# Altium PCB RTM_SFP.PcbDoc (part 5 of 17) (continued)
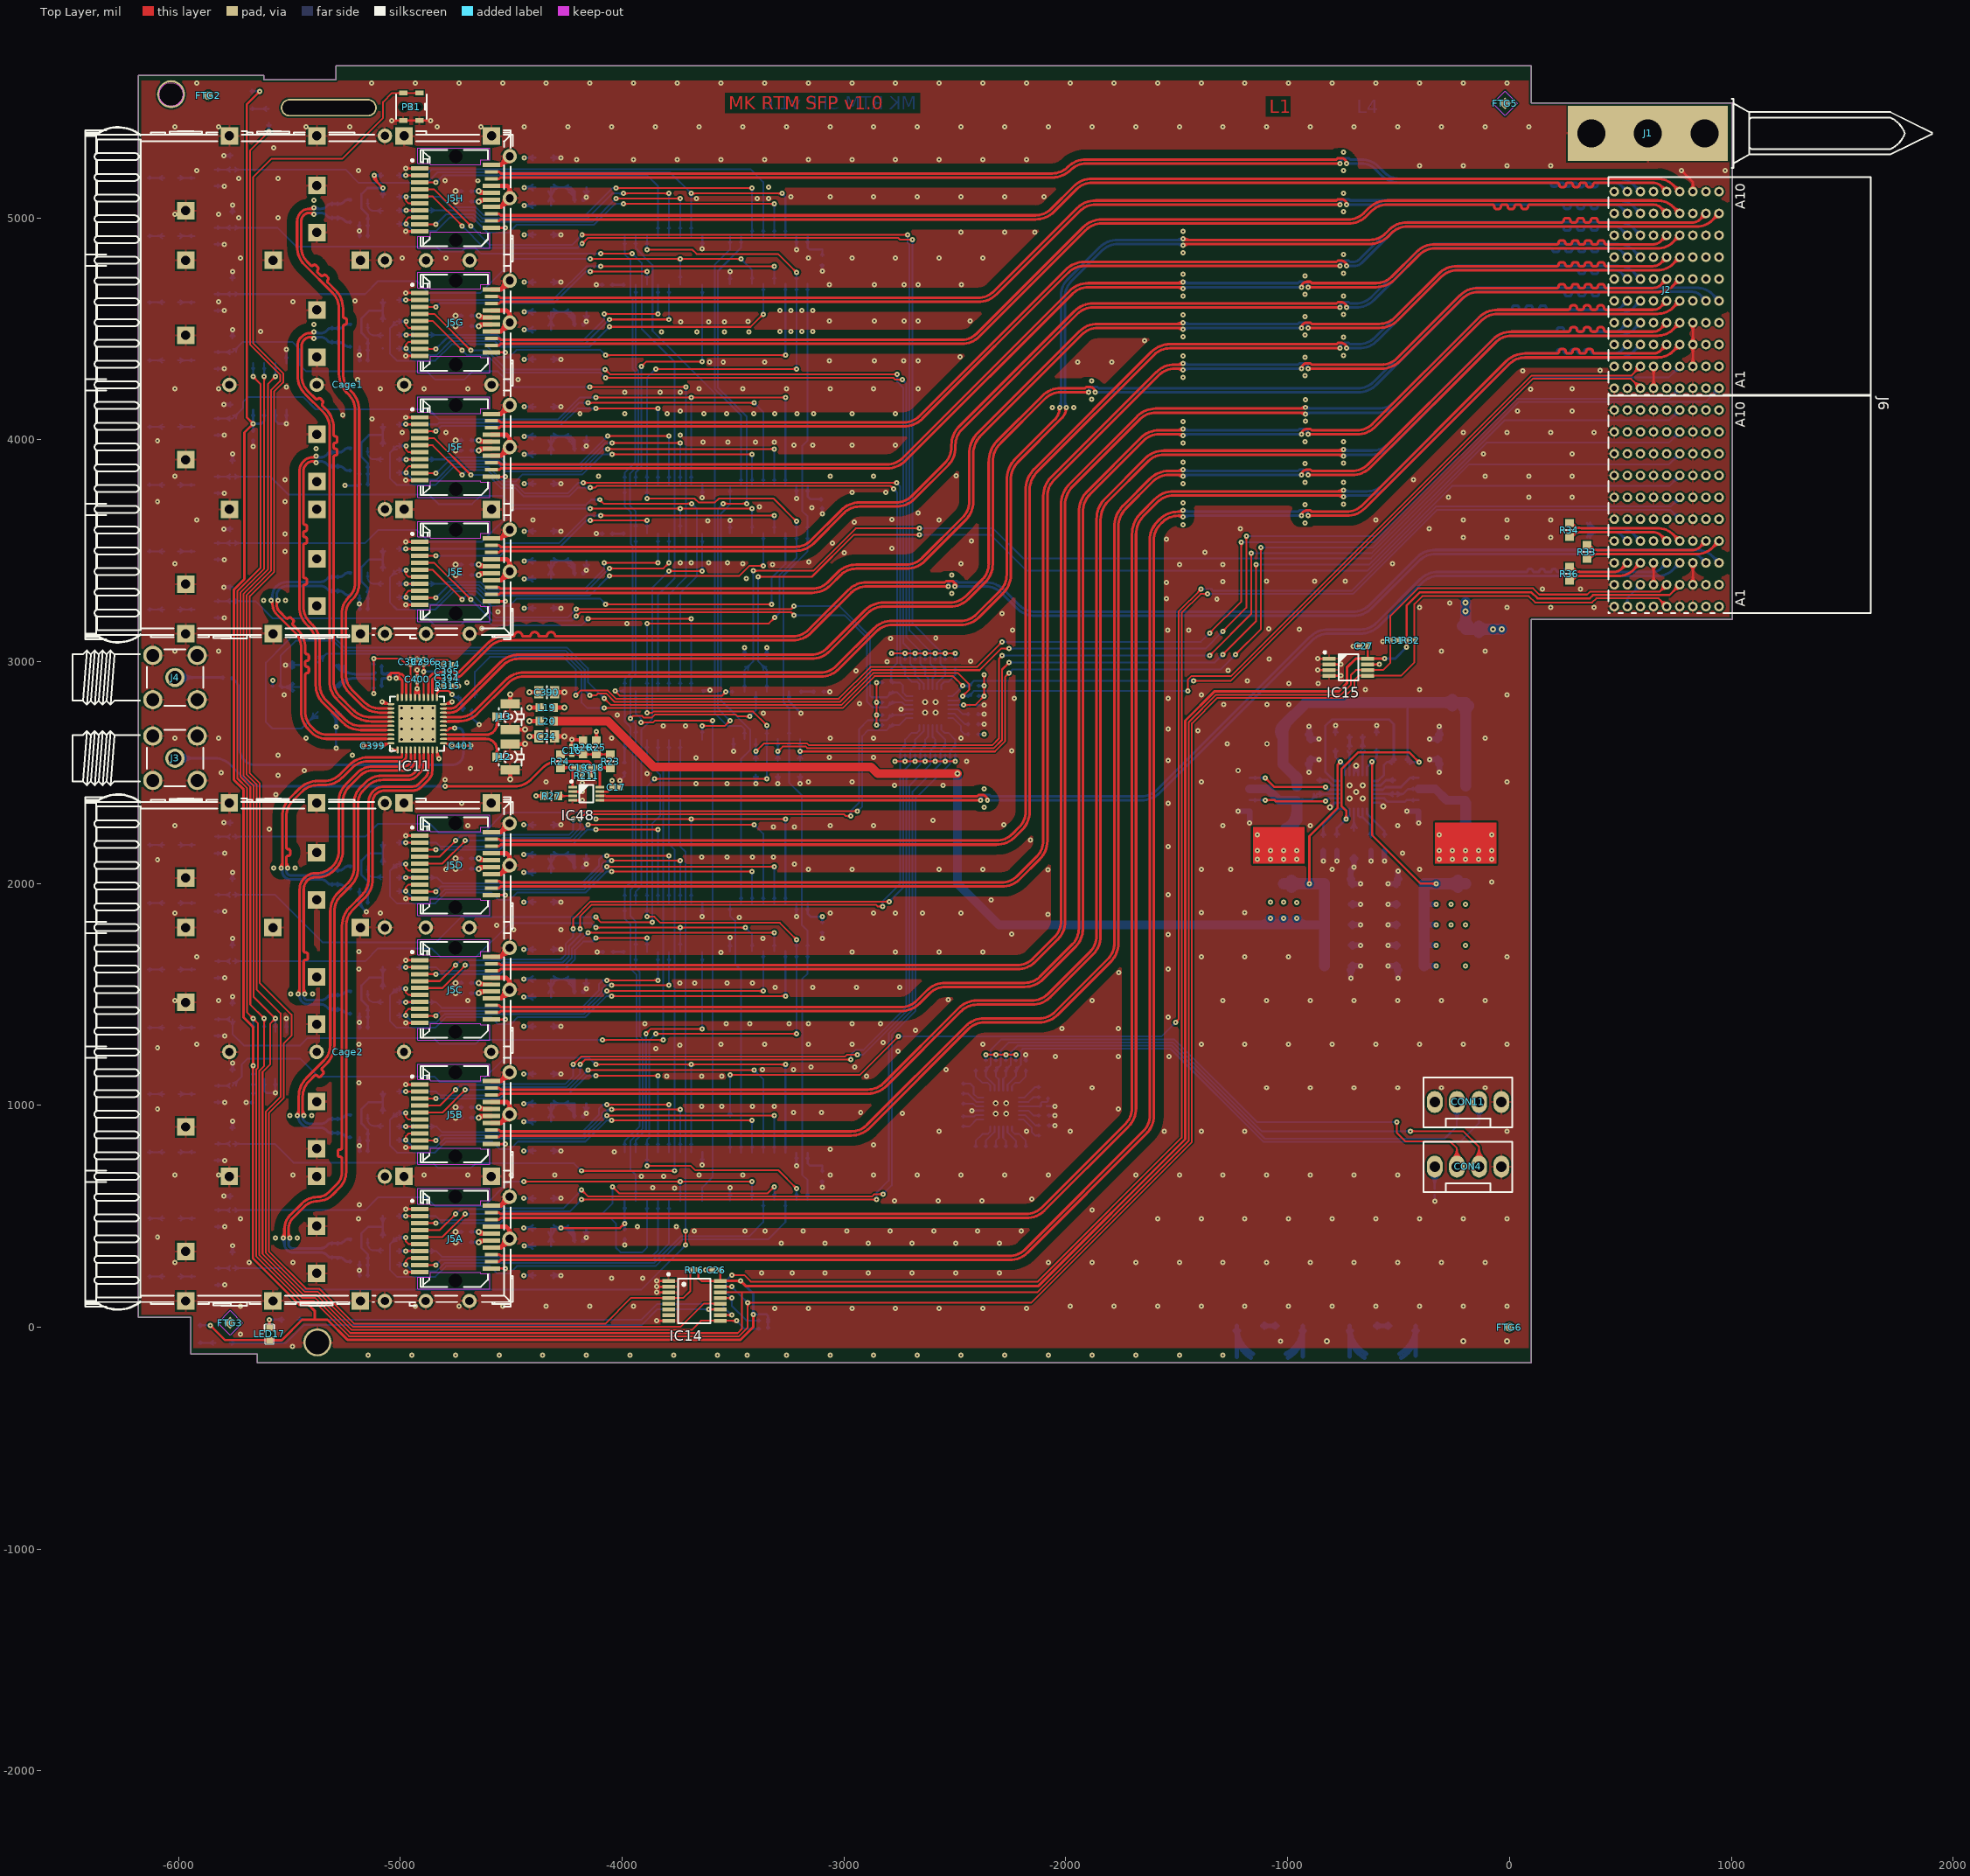
[diagram p0: Top Layer view]
## Nets (pads, with @x,y where several pads share a name; then routed paths per layer and width w, separated by ;. In a path a pad name is that pad's centre, name@x,y a point inside that pad or via, vN(x,y) a via of type N, cw(c..) or ccw(c..) an arc to the next point about the centre after c; other vN are vias at no path point) (continued)
  Bottom Layer w19.68: R22.2@-1238.2,-15.49 cw(c-1260.04,-37.33) -1229.15,-37.33 cw(c-1198.26,-37.33) R22.2@-1220.1,-15.49 ; pad.ESD_STRIP_SEGMENT_3@-1229.15,-134.39 R22.2@-1229.15,6.35 ccw(c-1082.97,6.35) pad.ESD_STRIP_SEGMENT_3@-1156.52,-119.98 ; R22.2@-1229.15,-27.89 ccw(c-1102.9,-27.89) pad.ESD_STRIP_SEGMENT_3@-1166.42,-136.99
  Bottom Layer w25: v1(-1224.02,2325.79) T5.1@-1171.26,2325.79 v1(-1171.26,2273.03) ; C9.1@-910.71,2538.7 cw(c-928.02,2521.39) -903.54,2521.39 cw(c-879.07,2521.39) C9.1@-896.37,2538.7 ; C10.1@-910.71,2671.15 ccw(c-928.02,2688.45) -903.54,2688.45 ccw(c-879.07,2688.45) C10.1@-896.37,2671.15 ; v1(-903.54,2501.97) C9.1@-903.54,2558.66 v1(-858.66,2558.66) ; v1(-903.54,2707.87) C10.1@-903.54,2651.18 v1(-858.66,2651.18) ; C9.1@-896.37,2551.49 cw(c-879.07,2534.19) -879.07,2558.66 cw(c-879.07,2583.14) C9.1@-896.37,2565.83 ; C10.1@-896.37,2644.01 cw(c-879.07,2626.71) -879.07,2651.18 cw(c-879.07,2675.66) C10.1@-896.37,2658.35 ; v1(-839.37,2101.97) R54.2@-839.37,2146.85 ; v1(-777.95,2101.97) C84.2@-777.95,2146.85 ; C181.1@-722.52,1608.78 cw(c-739.83,1591.47) -715.35,1591.47 cw(c-690.88,1591.47) C181.1@-708.19,1608.78 ; C176.1@-722.52,2018.78 ccw(c-739.83,2036.09) -715.35,2036.09 ccw(c-690.88,2036.09) C176.1@-708.19,2018.78 ; v1(-715.35,1572.05) C181.1@-715.35,1628.74 v1(-670.47,1628.74) ; C182.1@-715.35,1721.26 v1(-670.47,1721.26) ; C180.1@-715.35,1813.78 v1(-670.47,1813.78) ; C179.1@-715.35,1906.3 v1(-670.47,1906.3) ; C207.1@-708.35,2112.12 cw(c-725.66,2094.82) -701.18,2094.82 cw(c-676.71,2094.82) C207.1@-694.01,2112.12 ; C181.1@-708.19,1621.57 cw(c-690.88,1604.27) -690.88,1628.74 cw(c-690.88,1653.21) C181.1@-708.19,1635.91 ; C182.1@-708.19,1714.09 cw(c-690.88,1696.78) -690.88,1721.26 cw(c-690.88,1745.73) C182.1@-708.19,1728.43 ; C180.1@-708.19,1806.61 cw(c-690.88,1789.3) -690.88,1813.78 cw(c-690.88,1838.25) C180.1@-708.19,1820.95 ; C179.1@-708.19,1899.13 cw(c-690.88,1881.82) -690.88,1906.3 cw(c-690.88,1930.77) C179.1@-708.19,1913.47 ; C176.1@-708.19,1991.65 cw(c-690.88,1974.34) -690.88,1998.82 cw(c-690.88,2023.29) C176.1@-708.19,2005.99 ; C207.1@-701.18,2119.29 v1(-701.18,2074.41) -715.35,2060.24 C176.1@-715.35,1998.82 v1(-670.47,1998.82) ; v1(-624.41,2101.97) C386.1@-624.41,2146.85 ; v1(-563.39,2101.97) R246.1@-563.39,2146.85 ; v1(-547.64,1628.74) C15.1@-502.76,1628.74 v1(-502.76,1572.05) ; v1(-547.64,1721.26) C213.1@-502.76,1721.26 ; v1(-547.64,1813.78) C210.1@-502.76,1813.78 ; v1(-547.64,1906.3) C208.1@-502.76,1906.3 ; v1(-547.64,1998.82) C209.1@-502.76,1998.82 v1(-502.76,2055.51) ; C15.1@-509.92,1608.78 cw(c-527.23,1591.47) -502.76,1591.47 cw(c-478.28,1591.47) C15.1@-495.59,1608.78 ; C15.1@-509.92,1621.57 ccw(c-527.23,1604.27) -527.23,1628.74 ccw(c-527.23,1653.21) C15.1@-509.92,1635.91 ; C213.1@-509.92,1714.09 ccw(c-527.23,1696.78) -527.23,1721.26 ccw(c-527.23,1745.73) C213.1@-509.92,1728.43 ; C210.1@-509.92,1806.61 ccw(c-527.23,1789.3) -527.23,1813.78 ccw(c-527.23,1838.25) C210.1@-509.92,1820.95 ; C208.1@-509.92,1899.13 ccw(c-527.23,1881.82) -527.23,1906.3 ccw(c-527.23,1930.77) C208.1@-509.92,1913.47 ; C209.1@-509.92,1991.65 ccw(c-527.23,1974.34) -527.23,1998.82 ccw(c-527.23,2023.29) C209.1@-509.92,2005.99 ; C209.1@-509.92,2018.78 ccw(c-527.23,2036.09) -502.76,2036.09 ccw(c-478.28,2036.09) C209.1@-495.59,2018.78 ; v1(-462.99,2325.79) T6.1@-410.24,2325.79 v1(-410.24,2273.03) ; v1(-360.63,2558.66) C12.1@-315.75,2558.66 v1(-315.75,2501.97) ; v1(-360.63,2651.18) C14.1@-315.75,2651.18 v1(-315.75,2707.87) ; C12.1@-322.92,2538.7 cw(c-340.22,2521.39) -315.75,2521.39 cw(c-291.27,2521.39) C12.1@-308.58,2538.7 ; C12.1@-322.92,2551.49 ccw(c-340.22,2534.19) -340.22,2558.66 ccw(c-340.22,2583.14) C12.1@-322.92,2565.83 ; C14.1@-322.92,2644.01 ccw(c-340.22,2626.71) -340.22,2651.18 ccw(c-340.22,2675.66) C14.1@-322.92,2658.35 ; C14.1@-322.92,2671.15 ccw(c-340.22,2688.45) -315.75,2688.45 ccw(c-291.27,2688.45) C14.1@-308.58,2671.15 ; -715.35,2041.86 cw(c-668.63,2041.86) -701.67,2074.9 ccw(c-668.63,2041.86) -715.35,2041.86 ; -715.35,2054.37 cw(c-693.03,2054.37) -701.44,2075.05 ccw(c-693.03,2054.37) -715.35,2054.37
  other v1: -5145.67,-125.59 -4948.82,-125.59 -4751.97,-125.59 -4555.12,-125.59 -4358.27,-125.59 -4161.42,-125.59 -3964.57,-125.59 -3767.72,-125.59 -3570.87,-125.59 -3437.02,-125.59 -3259.86,-125.59 -3063.01,-125.59 -2866.16,-125.59 -2669.31,-125.59 -2472.46,-125.59 -2275.61,-125.59 -2078.76,-125.59 -1881.91,-125.59 -1685.05,-125.59 -1488.2,-125.59 -1291.35,-125.59 -5485.83,-86.22 -1032.3,-62.49 -5720.49,-32.29 -3312.6,85.43 -3161.43,85.43 -2964.58,85.43 -2767.73,85.43 -2570.88,85.43 -2374.03,85.43 -2177.18,85.43 -5720.49,94.94 -4933.09,94.94 -4736.24,94.94 -4539.39,94.94 -4342.54,94.94 -4145.68,94.94 -3948.83,94.94 -1980.33,94.94 -1783.48,94.94 -1586.63,94.94 -1389.78,94.94 -1192.93,94.94 -996.08,94.94 -799.23,94.94 -602.38,94.94 -405.53,94.94 -208.68,94.94 -11.83,94.94 -4047.26,221.26 -3907.09,221.26 -3372.05,245.08 -3233.27,245.08 -3086.61,245.08 -2889.76,245.08 -2692.91,245.08 -2496.06,245.08 -2299.21,245.08 -5184.25,256.64 -6015.76,291.79 -5681.12,291.79 -5484.27,291.79 -2078.76,291.79 -1881.91,291.79 -1685.05,291.79 -1488.2,291.79 -1291.35,291.79 -1094.5,291.79 -897.65,291.79 -700.8,291.79 -503.95,291.79 -307.1,291.79 -110.25,291.79 -3283.46,377.95 -3086.61,377.95 -2889.76,377.95 -2692.91,377.95 -2496.06,377.95 -2299.21,377.95 -5562.6,401.58 -5465.35,401.58 -4161.42,403.54 -6094.49,405.51 -3675.99,434.25 -3446.85,434.25 -3355.51,434.25 -3185.04,434.25 -2988.19,434.25 -2791.34,434.25 -2594.49,434.25 -2397.64,434.25 -2200.79,434.25 -3932.29,453.94 -3756.7,453.94 -5720.49,488.64 -5188.99,488.64 -1586.63,488.64 -1389.78,488.64 -1192.93,488.64 -996.08,488.64 -799.23,488.64 -602.38,488.64 -405.53,488.64 -208.68,488.64 -11.83,488.64 -1881.89,527.56 -5185.04,551.18 -2771.65,568.9 -2574.8,568.9 -2377.95,568.9 -2153.54,576.77 -3764.57,627.16 -3862.21,629.53 -3912.99,680.71 -3812.99,680.71 -6015.76,685.49 -5818.91,685.49 -5484.27,685.49 -4893.72,685.49 -4696.87,685.49 -4500.02,685.49 -4303.17,685.49 -3653.56,685.49 -3456.71,685.49 -3063.01,685.49 -2866.16,685.49 -2669.31,685.49 -2472.46,685.49 -2275.61,685.49 -2078.76,685.49 -1685.05,685.49 -1488.2,685.49 -1291.35,685.49 -1094.5,685.49 -897.65,685.49 -700.8,685.49 -503.95,685.49 -4035.43,791.34 -3062.99,803.15 -5184.25,817.72 -2866.14,822.83 -2570.88,882.34 -2177.18,882.34 -1980.33,882.34 -1557.1,882.34 -1389.78,882.34 -1192.93,882.34 -11.83,882.34 -5497.88,953.15 -5400.63,953.15 -2736.22,964.57 -3228.35,968.5 -3102.36,968.5 -2925.2,968.5 -6094.49,984.25 -1763.78,984.25 -3641.73,995.08 -3551.18,995.08 -3413.39,995.08 -3314.96,995.08 -1881.91,1079.19 -1094.5,1079.19 -897.65,1079.19 -700.8,1079.19 -503.95,1079.19 -307.1,1079.19 -110.25,1079.19 -5186.04,1102.36 -3799.21,1131.89 -3641.73,1131.89 -3551.18,1131.89 -2898.62,1131.89 -3367.13,1160.43 -3228.35,1161.42 -2539.37,1161.42 -3149.61,1173.23 -2952.76,1173.23 -2047.24,1220.47 -1763.78,1220.47 -1535.43,1220.47 -2755.91,1244.09 -3848.43,1255.91 -6094.49,1259.84 -3740.16,1271.65 -5917.34,1276.04 -5186.04,1276.04 -3555.13,1276.04 -3358.28,1276.04 -3161.43,1276.04 -2964.58,1276.04 -2374.03,1276.04 -1389.78,1276.04 -1192.93,1276.04 -996.08,1276.04 -799.23,1276.04 -602.38,1276.04 -405.53,1276.04 -208.68,1276.04 -11.83,1276.04 -2822.83,1283.46 -2677.17,1338.58 -2017.72,1346.46 -1763.78,1346.46 -3897.64,1367.13 -3531.5,1367.13 -3425.2,1367.13 -3248.03,1367.13 -3161.42,1367.13 -2964.57,1367.13 -2835.63,1367.13 -5184.25,1374.8 -1539.37,1397.64 -6015.76,1472.89 -5818.91,1472.89 -4696.87,1472.89 -1881.91,1472.89 -1291.35,1472.89 -1094.5,1472.89 -897.65,1472.89 -700.8,1472.89 -503.95,1472.89 -307.1,1472.89 -110.25,1472.89 -2530.51,1475.39 -5493.83,1502.36 -5396.59,1502.36 -3311.02,1531.5 -3141.73,1531.5 -2944.88,1531.5 -2748.03,1531.5 -3740.16,1551.18 -3673.23,1551.18 -3527.56,1551.18 -3413.39,1551.18 -1760.83,1599.41 -5186.02,1614.17 -1539.37,1614.17 -5917.34,1669.74 -1389.78,1669.74 -1192.93,1669.74 -996.08,1669.74 -11.83,1669.74 -3555.13,1689.43 -2964.58,1691.39 -2767.73,1691.39 -2570.88,1691.39 -2374.03,1691.39 -5186.02,1692.91 -3366.14,1751.97 -1539.37,1770.08 -2244.09,1771.65 -4488.19,1791.34 -4275.59,1791.34 -4566.93,1811.02 -3472.44,1846.46 -2080.71,1860.24 -2767.72,1866.14 -2645.67,1866.14 -6015.76,1866.59 -5090.57,1866.59 -3063.01,1866.59 -2866.16,1866.59 -2472.46,1866.59 -1389.78,1868.9 -1192.93,1868.9 -2337.8,1926.38 -1539.37,1948.82 -79.53,2006.69 -2080.71,2062.01 -4795.29,2063.44 -3161.43,2063.44 -2964.58,2063.44 -2570.88,2063.44 -2374.03,2063.44 -1389.78,2063.44 -1255.92,2063.44 -799.23,2063.44 -405.53,2063.44 -5571.39,2070.08 -5474.14,2070.08 -3224.41,2086.61 -6094.49,2106.3 -3641.73,2118.11 -3527.56,2118.11 -3413.39,2118.11 -3318.9,2118.11 -482.68,2136.61 -1539.37,2165.35 -2160.43,2194.88 -5590.55,2244.09 -3318.9,2253.94 -3224.41,2253.94 -6015.76,2260.29 -4696.87,2260.29 -3063.01,2260.29 -2866.16,2260.29 -1291.35,2260.29 -897.65,2260.29 -503.95,2260.29 -2280.53,2265.21 -2598.43,2283.46 -2367.81,2343.01 -4724.41,2362.2 -1539.37,2362.2 -5561.02,2401.57 -2367.81,2426.08 -2772.05,2441.73 -2554.33,2442.13 -3668.11,2449.21 -3526.77,2449.21 -4342.54,2457.14 -3161.43,2457.14 -2964.58,2457.14 -1389.78,2457.14 -11.83,2457.14 -4797.64,2468.11 -5551.18,2488.19 -3887.8,2495.08 -5807.07,2500 -5433.07,2509.84 -4685.04,2519.69 -2447.64,2551.18 -1539.37,2555.12 -3668.11,2566.93 -3065.75,2568.11 -2866.93,2568.11 -5551.18,2578.74 -5216.54,2578.74 -2244.09,2598.43 -1271.65,2629.92 -6015.76,2653.99 -5818.91,2653.99 -5425.21,2653.99 -4047.26,2653.99 -3063.01,2653.99 -2866.16,2653.99 -2472.46,2653.99 -110.25,2653.99 -1405.51,2688.98 -1539.37,2696.85 -3814.18,2709.45 -3714.18,2709.45 -4021.66,2760.24 -3363.78,2766.54 -1287.4,2807.09 -1092.52,2807.09 -994.09,2807.09 -2929.53,2809.84 -2232.28,2834.65 -1539.37,2834.65 -5523.64,2850.84 -1389.78,2850.84 -11.83,2850.84 -649.61,2874.02 -405.51,2874.02 -994.09,2901.57 -862.2,2901.57 -4700.79,2905.51 -1181.1,2913.39 -2946.46,2958.66 -1267.72,2960.63 -2806.3,3000.39 -2429.92,3001.97 -1082.68,3011.81 -6015.76,3047.69 -5818.91,3047.69 -307.1,3047.69 -110.25,3047.69 -570.87,3090.55 -2790.55,3105.12 -2586.22,3106.1 -2241.14,3141.34 -1540.16,3141.34 -1446.85,3141.34 -946.85,3146.65 -1085.63,3147.64 -4633.86,3149.61 -3979.33,3171.26 -2287.01,3217.32 -4561.02,3225.39 -405.53,3244.54 -11.83,3244.54 185.02,3244.54 381.87,3244.54 -5184.25,3260.63 -268.9,3264.06 -5615.9,3276.77 -5518.66,3276.77 -1318.9,3282.48 -1546.06,3283.86 -2514.57,3306.69 147.64,3326.77 319.88,3326.77 -1546.06,3356.69 -1291.35,3360.63 -1094.49,3362.2 -877.95,3362.2 -740.16,3362.2 -3440.16,3375.2 -2514.57,3389.76 -4161.02,3411.02 -1488.2,3436.47 -1291.35,3436.47 -3322.44,3437.6 -6015.76,3441.39 -3456.71,3441.39 -2472.46,3441.39 -527.57,3441.39 -3738.59,3444.88 -3688.59,3444.88 -3610.24,3444.88 -3525.99,3444.88 -3159.45,3448.43 -2998.43,3490.95 -1372.84,3492.91 -5519.68,3496.06 -2785.04,3510.63 -3051.97,3533.07 -2426.18,3543.31 -1546.06,3551.97 -208.66,3559.06 -11.81,3559.06 185.04,3559.06 -5519.68,3574.8 -362.2,3598.43 -1213.58,3599.41 -1471.39,3617.72 -921.71,3625.14 -2954.74,3628.4 -3614.18,3635.04 -5917.34,3638.24 -4401.59,3638.24 -2570.88,3638.24 -602.38,3638.24 -208.68,3638.24 -11.83,3638.24 185.02,3638.24 -2785.04,3639.76 -2666.14,3670.47 -3144.88,3692.91 -3381.1,3696.85 -921.71,3708.21 -748.63,3710.3 -1471.39,3714.96 -6094.49,3720.47 -5519.68,3720.47 -275.59,3740.16 86.61,3740.16 283.46,3740.16 -2964.58,3762.6 -2811.42,3762.6 -1471.26,3801.45 -748.63,3807.54 -921.58,3808.87 -5519.68,3818.9 -433.07,3818.9 -6015.76,3835.09 -4106.31,3835.09 -3063.01,3835.09 -2866.16,3835.09 -110.25,3835.09 86.6,3835.09 283.45,3835.09 -2494.11,3838.05 -921.58,3891.94 -747.84,3893.76 -1471.26,3898.69 -118.11,3937.01 283.46,3937.01 -5379.53,3960.42 -4161.02,3971.65 -3225.59,3976.38 -3141.73,3976.38 -2964.58,3976.38 -2767.72,3976.38 -1471.26,3984.8 -3636.22,3990.16 -3522.44,3990.16 -3400,3990.16 -3314.18,3990.16 -747.84,3991 -921.58,3992.22 -6094.49,3996.06 -3738.19,4020.67 -4992.14,4031.95 -4795.29,4031.95 -208.68,4031.95 -11.83,4031.95 185.02,4031.95 381.87,4031.95 -1471.26,4082.04 -919.5,4083.13 -5127.95,4094.49 -5258.86,4112.2 -4190.55,4116.93 -3988.59,4116.93 -3797.25,4116.93 -3631.1,4116.93 -3529.92,4116.93 -3406.7,4116.93 -3312.99,4116.93 -3212.6,4116.93 -3137.8,4116.93 -2964.58,4116.93 -2767.72,4116.93 -3738.19,4129.92 35.43,4129.92 283.46,4129.92 -2061.81,4145.28 -1964.57,4145.28 -919.5,4180.37 -1883.72,4181.7 -3988.59,4214.57 -3828.74,4214.57 -3738.19,4214.57 94.49,4228.35 -6015.76,4228.8 -5818.91,4228.8 -5090.57,4228.8 -4893.72,4228.8 -4696.87,4228.8 -3653.56,4228.8 -3456.71,4228.8 -3259.86,4228.8 -3063.01,4228.8 -2866.16,4228.8 -2665.36,4228.8 283.45,4228.8 -5513.8,4236.67 -1883.72,4264.77 -5191.93,4271.65 -4468.5,4271.65 -1471.26,4280.99 -921.58,4288.41 59.06,4311.02 408.46,4312.99 -3606.7,4349.21 -3544.1,4349.21 -3358.28,4349.21 -1945.87,4349.41 -1793.32,4349.41 -3065.36,4356.3 -2863.39,4355.91 -2730.71,4355.91 -2665.36,4355.91 -921.58,4371.48 -2477.36,4373.03 -1471.26,4378.23 -748.52,4380.13 -5184.25,4381.1 -1645.67,4445.87 -748.52,4463.2 -1471.73,4464.63 -922.05,4472.05 -3822.83,4486.22 -3662.6,4486.22 -3539.37,4486.22 -3429.14,4486.22 -5629.92,4488.19 -3288.19,4488.19 -3238.98,4488.19 -3189.37,4488.19 -3140.55,4488.19 -5390.16,4519.48 -3737.01,4531.5 -3609.84,4531.5 -3539.37,4531.5 -3432.09,4532.48 -4161.02,4532.68 -3065.76,4535.63 -2863.4,4535.63 -2729.53,4535.63 -2666.55,4535.63 -2431.91,4535.63 -922.05,4555.12 -1471.73,4561.87 -748.63,4563.87 -3288.19,4583.07 -3238.98,4583.07 -3189.37,4583.07 -3140.55,4583.07 -5818.91,4622.5 -5484.27,4622.5 -5203.74,4625.98 -748.63,4646.94 -1471.26,4648.19 -921.58,4655.61 -3065.76,4697.94 -2863.4,4697.94 -2729.53,4697.94 -2666.55,4697.94 -2471.28,4697.94 -921.58,4738.68 -1471.26,4745.43 -748.65,4750.88 -5720.49,4819.35 -4992.14,4819.35 -4795.29,4819.35 -3161.43,4819.35 -2964.58,4819.35 -2767.73,4819.35 -2570.88,4819.35 -2374.03,4819.35 -748.65,4833.95 -1471.26,4842.91 -2472.46,4935.04 -2275.61,4935.04 -2140.75,4935.04 -1471.26,4940.16 -5184.25,4941.73 -5728.35,5000 -5551.18,5000 -6015.76,5016.2 -5818.91,5016.2 -748.26,5028.05 -5390.16,5080.11 -3664.96,5086.22 -3390.55,5086.22 -3339.77,5086.62 -3239.37,5095.05 -3063.01,5095.05 -2866.16,5095.05 -2669.31,5095.05 -2472.46,5095.05 -2275.61,5095.05 -2098.44,5095.05 -748.26,5111.12 -3340.16,5138.58 -4797.64,5167.32 -4651.58,5166.93 -5728.35,5177.17 -5551.18,5177.17 -5917.34,5213.05 -5188.99,5213.05 -748.43,5212.99 972.43,5213.05 -405.53,5235.69 -208.68,5235.69 -11.83,5235.69 185.02,5235.69 -4204.74,5262.31 -3948.83,5262.31 -3751.98,5262.31 -3555.13,5262.31 -3358.28,5262.31 -3161.43,5262.31 -2964.58,5262.31 -2767.73,5262.31 -2570.88,5262.31 -2374.03,5262.31 -2177.18,5262.31 -748.43,5296.06 -5570.87,5314.96 -6015.76,5409.9 -5818.91,5409.9 -5425.21,5409.9 -5228.36,5409.9 -4834.66,5409.9 -4637.81,5409.9 -4440.96,5409.9 -4244.11,5409.9 -4047.26,5409.9 -3850.41,5409.9 -3653.56,5409.9 -3456.71,5409.9 -3259.86,5409.9 -3063.01,5409.9 -2866.16,5409.9 -2669.31,5409.9 -2472.46,5409.9 -2275.61,5409.9 -2078.76,5409.9 -1881.91,5409.9 -1685.05,5409.9 -1488.2,5409.9 -1291.35,5409.9 -1094.5,5409.9 -897.65,5409.9 -700.8,5409.9 -503.95,5409.9 -307.1,5409.9 -110.25,5409.9 86.6,5409.9 -5917.34,5606.69 -5129.94,5606.69 -4933.09,5606.69 -4736.24,5606.69 -4539.39,5606.69 -4342.54,5606.69 -4145.68,5606.69 -3948.83,5606.69 -3751.98,5606.69 -3555.13,5606.69 -3358.28,5606.69 -3161.43,5606.69 -2964.58,5606.69 -2767.73,5606.69 -2570.88,5606.69 -2374.03,5606.69 -2177.18,5606.69 -1980.33,5606.69 -1783.48,5606.69 -1586.63,5606.69 -1389.78,5606.69 -1192.93,5606.69 -996.08,5606.69 -799.23,5606.69 -602.38,5606.69 -405.53,5606.69 -208.68,5606.69 -11.83,5606.69
  other v2: -822.83,-62.49 -208.68,-62.49 -11.83,-62.49 -720.87,2383.07 -661.81,2383.07 -691.34,2412.6 -720.87,2442.13 -661.81,2442.13
  other v3: -2316.14,962.2 -2268.9,962.2 -2316.14,1009.45 -2268.9,1009.45 -4995.28,2649.21 -4948.03,2649.21 -4900.79,2649.21 -4853.54,2649.21 -4995.28,2696.46 -4948.03,2696.46 -4900.79,2696.46 -4853.54,2696.46 -4995.28,2743.7 -4948.03,2743.7 -4900.79,2743.7 -4853.54,2743.7 -2634.59,2770.48 -2587.35,2770.48 -4995.28,2790.94 -4948.03,2790.94 -4900.79,2790.94 -4853.54,2790.94 -2634.59,2817.72 -2587.35,2817.72
  other v4: -1224.02,2509.06 -1092.52,2629.92
I2C_RESETN: IC39.24 R28.1 | length 167.7
  Bottom Layer w7.99: IC39.24@-2530.26,2744.89 -2507.88,2744.89 -2472.44,2709.45 -2472.44,2688.19 -2456.69,2672.44 R28.1@-2434.65,2672.44 ; R28.1@-2440.17,2666.91 ccw(c-2453.51,2653.57) -2453.51,2672.44 ccw(c-2453.51,2691.31) R28.1@-2440.17,2677.97
NetC5_1: C5.1 IC11.34 | length 1747.9
  Top Layer w10: IC11.34@-4806.3,2690.55 -4786.61,2690.55 ; IC11.34@-4795.53,2690.49 ccw(c-4791.1,2695.04) -4786.61,2690.55 ; IC11.34@-4795.48,2690.47 ccw(c-4793.3,2705.9) -4782.28,2694.88 -4786.61,2690.55
  Top Layer w12: -4782.28,2694.88 -4776.38,2700.79 v1(-4755.51,2700.79) ; -4769.54,2700.79 cw(c-4769.54,2686.76) -4759.62,2696.68 ccw(c-4769.54,2686.76) -4769.54,2700.79 ; -4769.54,2700.79 ccw(c-4769.54,2714.82) -4759.62,2704.9 cw(c-4769.54,2714.82) -4769.54,2700.79
  Bottom Layer w12: C5.1@-5760.83,2922 cw(c-5760.83,2907.02) -5750.23,2917.61 cw(c-5739.64,2928.2) C5.1@-5754.62,2928.2 ; C5.1@-5760.83,2928.2 -5743.18,2910.55 cw(c-5783.84,2869.95) -5726.38,2869.95 -5726.38,2614.37 ccw(c-5640.35,2614.37) -5701.18,2553.54 ccw(c-5655.56,2599.17) -5655.56,2534.65 -4765.6,2534.65 ccw(c-4765.6,2583.71) -4716.54,2583.71 -4716.54,2677.56 ccw(c-4739.76,2677.56) -4739.76,2700.79 v1(-4755.51,2700.79) ; -4741.48,2700.79 cw(c-4741.48,2714.82) -4751.4,2704.9 ccw(c-4741.48,2714.82) -4741.48,2700.79 ; -4741.48,2700.79 ccw(c-4741.48,2686.76) -4751.4,2696.68 cw(c-4741.48,2686.76) -4741.48,2700.79
NetC5_2: C5.2 J4.1 | length 480.9
  Bottom Layer w12: J4.1@-6016.16,2928.2 C5.2@-5796.26,2928.2 ; J4.1@-5998.26,2910.31 cw(c-5955.06,2867.11) -5955.06,2928.2 cw(c-5955.06,2989.3) J4.1@-5998.26,2946.1 ; J4.1@-5989.78,2901.82 cw(c-5926.09,2838.14) -5926.09,2928.2 cw(c-5926.09,3018.27) J4.1@-5989.78,2954.58 ; C5.2@-5800.65,2923.82 ccw(c-5811.24,2913.23) -5811.24,2928.2 ccw(c-5811.24,2943.18) C5.2@-5800.65,2932.59
NetC11_1: C11.1 IC16.10 L1.1 T6.3 T6.7 T6.8 | length 819.5
  Bottom Layer w10: IC16.10@-614.57,2402.76 C11.1@-516.14,2402.76 -480.71,2402.76 -457.68,2425.79 T6.3@-410.24,2425.79 ; C11.1@-526.81,2393.07 ccw(c-550.2,2369.68) -550.2,2402.76 ccw(c-550.2,2435.83) C11.1@-526.81,2412.44 ; C11.1@-505.47,2393.07 cw(c-482.08,2369.68) -482.08,2402.76 cw(c-482.08,2435.83) C11.1@-505.47,2412.44 ; T6.3@-433.75,2420.97 ccw(c-445.38,2409.34) -445.38,2425.79 ccw(c-445.38,2442.23) T6.3@-433.75,2430.6
  Bottom Layer w39.37: T6.3@-410.24,2425.79 -334.06,2425.79 -284.06,2375.79 T6.7@-197.64,2375.79
  Bottom Layer w50: L1.1@-213.37,2242.89 ccw(c-251.34,2280.87) -197.64,2280.87 ccw(c-143.94,2280.87) L1.1@-181.91,2242.89 ; L1.1@-197.64,2204.33 T6.8@-197.64,2325.79 -197.64,2362.6
  other v1: -315.75,2109.06 -256.69,2109.06 -197.64,2109.06 -138.58,2109.06 -79.53,2109.06 -315.75,2148.43 -256.69,2148.43 -197.64,2148.43 -138.58,2148.43 -79.53,2148.43 -315.75,2219.29 -79.53,2218.9
NetC11_2: C11.2 IC16.8 | length 160.2
  Bottom Layer w10: IC16.8@-614.57,2442.13 -580.71,2442.13 -557.09,2465.75 C11.2@-516.14,2465.75 ; C11.2@-526.81,2456.06 ccw(c-550.2,2432.67) -550.2,2465.75 ccw(c-550.2,2498.82) C11.2@-526.81,2475.44
NetC16_1: C16.1 R23.1 R24.1 R25.2 R26.2 | length 584.7
  Top Layer w7.99: R24.1@-4267.07,2572.19 cw(c-4243.65,2548.77) -4243.65,2581.89 cw(c-4243.65,2615.01) R24.1@-4267.07,2591.59 ; R24.1@-4266.93,2581.89 R23.1@-4056.69,2581.89 ; C16.1@-4232.58,2576.09 ccw(c-4246.59,2562.07) -4246.59,2581.89 ccw(c-4246.59,2601.71) C16.1@-4232.58,2587.69 ; C16.1@-4220.97,2576.09 cw(c-4206.95,2562.07) -4206.95,2581.89 cw(c-4206.95,2601.71) C16.1@-4220.97,2587.69 ; R26.2@-4188.44,2572.19 ccw(c-4211.86,2548.77) -4211.86,2581.89 ccw(c-4211.86,2615.01) R26.2@-4188.44,2591.59 ; R26.2@-4165.1,2572.19 cw(c-4141.68,2548.77) -4141.68,2581.89 cw(c-4141.68,2615.01) R26.2@-4165.1,2591.59 ; R25.2@-4127.42,2572.19 ccw(c-4150.84,2548.77) -4150.84,2581.89 ccw(c-4150.84,2615.01) R25.2@-4127.42,2591.59 ; R25.2@-4104.08,2572.19 cw(c-4080.66,2548.77) -4080.66,2581.89 cw(c-4080.66,2615.01) R25.2@-4104.08,2591.59 ; R23.1@-4064.43,2572.19 ccw(c-4087.85,2548.77) -4087.85,2581.89 ccw(c-4087.85,2615.01) R23.1@-4064.43,2591.59
NetC18_1: C18.1 J3.1 R211.1 | length 2395
  Top Layer w12: v1(-4797.64,2438.19) -4483.15,2438.19 ccw(c-4483.15,2538.19) -4412.44,2467.48 -4358.82,2521.1 cw(c-4288.11,2450.39) -4288.11,2550.39 -4157.46,2550.39 cw(c-4157.46,2535.16) -4142.23,2535.16 ; R211.1@-4148.31,2489.15 ccw(c-4162.98,2503.82) -4142.23,2503.82 ; C18.1@-4146.62,2518.45 cw(c-4157.21,2507.86) -4142.23,2507.86 cw(c-4127.25,2507.86) C18.1@-4137.85,2518.45 ; C18.1@-4145.93,2527.82 ccw(c-4151.38,2535.16) -4142.23,2535.16 ; R211.1@-4142.23,2487.01 C18.1@-4142.23,2522.83 -4142.23,2535.16 ; C18.1@-4138.54,2527.82 cw(c-4133.09,2535.16) -4142.23,2535.16 ; -4783.61,2438.19 cw(c-4783.61,2452.22) -4793.53,2442.3 ccw(c-4783.61,2452.22) -4783.61,2438.19 ; -4783.61,2438.19 ccw(c-4783.61,2424.16) -4793.53,2434.08 cw(c-4783.61,2424.16) -4783.61,2438.19
  Bottom Layer w12: J3.1@-6016.16,2564.43 -5835.25,2564.43 cw(c-5835.25,2469.47) -5768.15,2536.65 -5698.97,2467.48 ccw(c-5628.26,2538.19) -5628.26,2438.19 v1(-4797.64,2438.19) ; J3.1@-5998.26,2546.53 cw(c-5955.06,2503.33) -5955.06,2564.43 cw(c-5955.06,2625.52) J3.1@-5998.26,2582.32 ; J3.1@-5989.78,2538.05 cw(c-5926.09,2474.36) -5926.09,2564.43 cw(c-5926.09,2654.49) J3.1@-5989.78,2590.81 ; -4811.67,2438.19 cw(c-4811.67,2424.16) -4801.75,2434.08 ccw(c-4811.67,2424.16) -4811.67,2438.19 ; -4811.67,2438.19 ccw(c-4811.67,2452.22) -4801.75,2442.3 cw(c-4811.67,2452.22) -4811.67,2438.19
NetC18_2: C18.2 IC48.8 R23.2 | length 235.1
  Top Layer w12: C18.2@-4111.19,2518.45 cw(c-4137.24,2492.39) -4100.39,2492.39 ; C18.2@-4102.41,2518.45 cw(c-4091.82,2507.86) -4091.82,2522.83 cw(c-4091.82,2537.81) C18.2@-4102.41,2527.22 ; IC48.8@-4100.39,2433.46 -4100.39,2516.43 C18.2@-4106.8,2522.83 R23.2@-4060.63,2522.83 ; -4092.52,2522.83 cw(c-4092.52,2481.11) R23.2@-4063.01,2510.61 ; -4073.51,2522.83 ccw(c-4073.51,2537.68) R23.2@-4063.01,2527.18
NetC19_2: C19.2 IC48.1 R24.2 | length 249.2
  Top Layer w12: R24.2@-4278.74,2518.9 -4274.8,2522.83 C19.2@-4217.04,2522.83 -4222.44,2517.43 IC48.1@-4222.44,2433.46 ; R24.2@-4268.49,2510.61 cw(c-4238.98,2481.11) -4238.98,2522.83 ; R24.2@-4268.49,2527.18 ccw(c-4257.99,2537.68) -4257.99,2522.83 ; -4222.44,2494.8 cw(c-4189.01,2494.8) C19.2@-4212.65,2518.45 ; C19.2@-4221.42,2518.45 ccw(c-4232.01,2507.86) -4232.01,2522.83 ccw(c-4232.01,2537.81) C19.2@-4221.42,2527.22
NetC207_2: C207.2 IC16.16 | length 165.3
  Bottom Layer w10: C207.2@-713.65,2249.87 ccw(c-743.76,2279.98) -701.18,2279.98 ccw(c-658.6,2279.98) C207.2@-688.71,2249.87 ; C207.2@-701.18,2237.4 IC16.16@-701.18,2335.83
NetC214A_1: C214A.1 C220A.1 J5A.16 L5A.2 | length 624.1
  Top Layer w19.68: v2(-4647.55,429.92) -4639.92,422.29 J5A.16@-4590.14,422.29 ; v2@-4646.31,426.18 cw(c-4640.28,408.06) -4630.73,424.6 ; v2@-4644.77,432.7 ccw(c-4619.63,457.84) -4619.63,422.29 cw(c-4619.63,457.84) v2@-4644.77,432.7
  Bottom Layer w10: v1(-4443.28,446.84) L5A.2@-4392.29,446.84 ; v1(-4443.28,580.7) C220A.1@-4392.29,580.7 ; v1@-4439.87,440.94 cw(c-4427.69,419.84) -4421.38,443.38 ; v1@-4439.87,452.74 ccw(c-4427.69,473.84) -4421.38,450.31 ; L5A.2@-4404.2,434.37 ccw(c-4434.31,404.26) -4434.31,446.84 ccw(c-4434.31,489.42) L5A.2@-4404.2,459.31 ; C220A.1@-4402.81,569.62 ccw(c-4429.56,542.87) -4429.56,580.7 ccw(c-4429.56,618.53) C220A.1@-4402.81,591.78 ; -4426.83,446.84 cw(c-4426.83,463.29) -4438.46,451.66 ccw(c-4426.83,463.29) -4426.83,446.84 ; -4426.83,446.84 ccw(c-4426.83,430.4) -4438.46,442.03 cw(c-4426.83,430.4) -4426.83,446.84 ; -4426.83,580.7 cw(c-4426.83,597.14) -4438.46,585.52 ccw(c-4426.83,597.14) -4426.83,580.7 ; -4426.83,580.7 ccw(c-4426.83,564.26) -4438.46,575.88 cw(c-4426.83,564.26) -4426.83,580.7
  Bottom Layer w11.81: C214A.1@-4685.6,429.92 v2(-4647.55,429.92) ; C214A.1@-4680.59,425.47 cw(c-4669.83,414.71) -4669.83,429.92 cw(c-4669.83,445.13) C214A.1@-4680.59,434.37 ; -4666.56,429.92 cw(c-4666.56,410.91) -4653.12,424.35 ccw(c-4666.56,410.91) -4666.56,429.92 ; -4666.56,429.92 ccw(c-4666.56,448.93) -4653.12,435.49 cw(c-4666.56,448.93) -4666.56,429.92
NetC214B_1: C214B.1 C220B.1 J5B.16 L5B.2 | length 624.1
  Top Layer w19.68: v2(-4647.55,990.94) -4639.92,983.32 J5B.16@-4590.14,983.32 ; v2@-4646.31,987.21 cw(c-4640.28,969.08) -4630.73,985.62 ; v2@-4644.77,993.73 ccw(c-4619.63,1018.87) -4619.63,983.32 cw(c-4619.63,1018.87) v2@-4644.77,993.73
  Bottom Layer w10: v1(-4443.28,1007.87) L5B.2@-4392.29,1007.87 ; v1(-4443.28,1141.72) C220B.1@-4392.29,1141.72 ; v1@-4439.87,1001.97 cw(c-4427.69,980.87) -4421.38,1004.4 ; v1@-4439.87,1013.76 ccw(c-4427.69,1034.86) -4421.38,1011.33 ; L5B.2@-4404.2,995.39 ccw(c-4434.31,965.28) -4434.31,1007.87 ccw(c-4434.31,1050.45) L5B.2@-4404.2,1020.34 ; C220B.1@-4402.81,1130.64 ccw(c-4429.56,1103.9) -4429.56,1141.72 ccw(c-4429.56,1179.55) C220B.1@-4402.81,1152.8 ; -4426.83,1007.87 cw(c-4426.83,1024.31) -4438.46,1012.68 ccw(c-4426.83,1024.31) -4426.83,1007.87 ; -4426.83,1007.87 ccw(c-4426.83,991.42) -4438.46,1003.05 cw(c-4426.83,991.42) -4426.83,1007.87 ; -4426.83,1141.72 cw(c-4426.83,1158.17) -4438.46,1146.54 ccw(c-4426.83,1158.17) -4426.83,1141.72 ; -4426.83,1141.72 ccw(c-4426.83,1125.28) -4438.46,1136.91 cw(c-4426.83,1125.28) -4426.83,1141.72
  Bottom Layer w11.81: C214B.1@-4685.6,990.94 v2(-4647.55,990.94) ; C214B.1@-4680.59,986.49 cw(c-4669.83,975.74) -4669.83,990.94 cw(c-4669.83,1006.15) C214B.1@-4680.59,995.4 ; -4666.56,990.94 cw(c-4666.56,971.93) -4653.12,985.38 ccw(c-4666.56,971.93) -4666.56,990.94 ; -4666.56,990.94 ccw(c-4666.56,1009.95) -4653.12,996.51 cw(c-4666.56,1009.95) -4666.56,990.94
NetC214C_1: C214C.1 C220C.1 J5C.16 L5C.2 | length 624.1
  Top Layer w19.68: v2(-4647.55,1551.97) -4639.92,1544.34 J5C.16@-4590.14,1544.34 ; v2@-4646.31,1548.23 cw(c-4640.28,1530.11) -4630.73,1546.65 ; v2@-4644.77,1554.75 ccw(c-4619.63,1579.89) -4619.63,1544.34 cw(c-4619.63,1579.89) v2@-4644.77,1554.75
  Bottom Layer w10: v1(-4443.28,1568.89) L5C.2@-4392.29,1568.89 ; v1(-4443.28,1702.75) C220C.1@-4392.29,1702.75 ; v1@-4439.87,1562.99 cw(c-4427.69,1541.89) -4421.38,1565.43 ; v1@-4439.87,1574.79 ccw(c-4427.69,1595.89) -4421.38,1572.35 ; L5C.2@-4404.2,1556.42 ccw(c-4434.31,1526.31) -4434.31,1568.89 ccw(c-4434.31,1611.47) L5C.2@-4404.2,1581.36 ; C220C.1@-4402.81,1691.67 ccw(c-4429.56,1664.92) -4429.56,1702.75 ccw(c-4429.56,1740.58) C220C.1@-4402.81,1713.83 ; -4426.83,1568.89 cw(c-4426.83,1585.33) -4438.46,1573.71 ccw(c-4426.83,1585.33) -4426.83,1568.89 ; -4426.83,1568.89 ccw(c-4426.83,1552.45) -4438.46,1564.07 cw(c-4426.83,1552.45) -4426.83,1568.89 ; -4426.83,1702.75 cw(c-4426.83,1719.19) -4438.46,1707.56 ccw(c-4426.83,1719.19) -4426.83,1702.75 ; -4426.83,1702.75 ccw(c-4426.83,1686.31) -4438.46,1697.93 cw(c-4426.83,1686.31) -4426.83,1702.75
  Bottom Layer w11.81: C214C.1@-4685.6,1551.97 v2(-4647.55,1551.97) ; C214C.1@-4680.59,1547.51 cw(c-4669.83,1536.76) -4669.83,1551.97 cw(c-4669.83,1567.18) C214C.1@-4680.59,1556.42 ; -4666.56,1551.97 cw(c-4666.56,1532.96) -4653.12,1546.4 ccw(c-4666.56,1532.96) -4666.56,1551.97 ; -4666.56,1551.97 ccw(c-4666.56,1570.98) -4653.12,1557.54 cw(c-4666.56,1570.98) -4666.56,1551.97